# Altium PCB Farzanegan2-2025.PcbDoc (part 2 of 2)
Units mm, origin at the board's own origin, x right, y up, seen from the top; angles counter-clockwise.
Board outline 131.62 x 119.43 mm, 2 copper layers (Top Layer, Bottom Layer); 98 components, 81 nets, 407 pads, 121 vias.
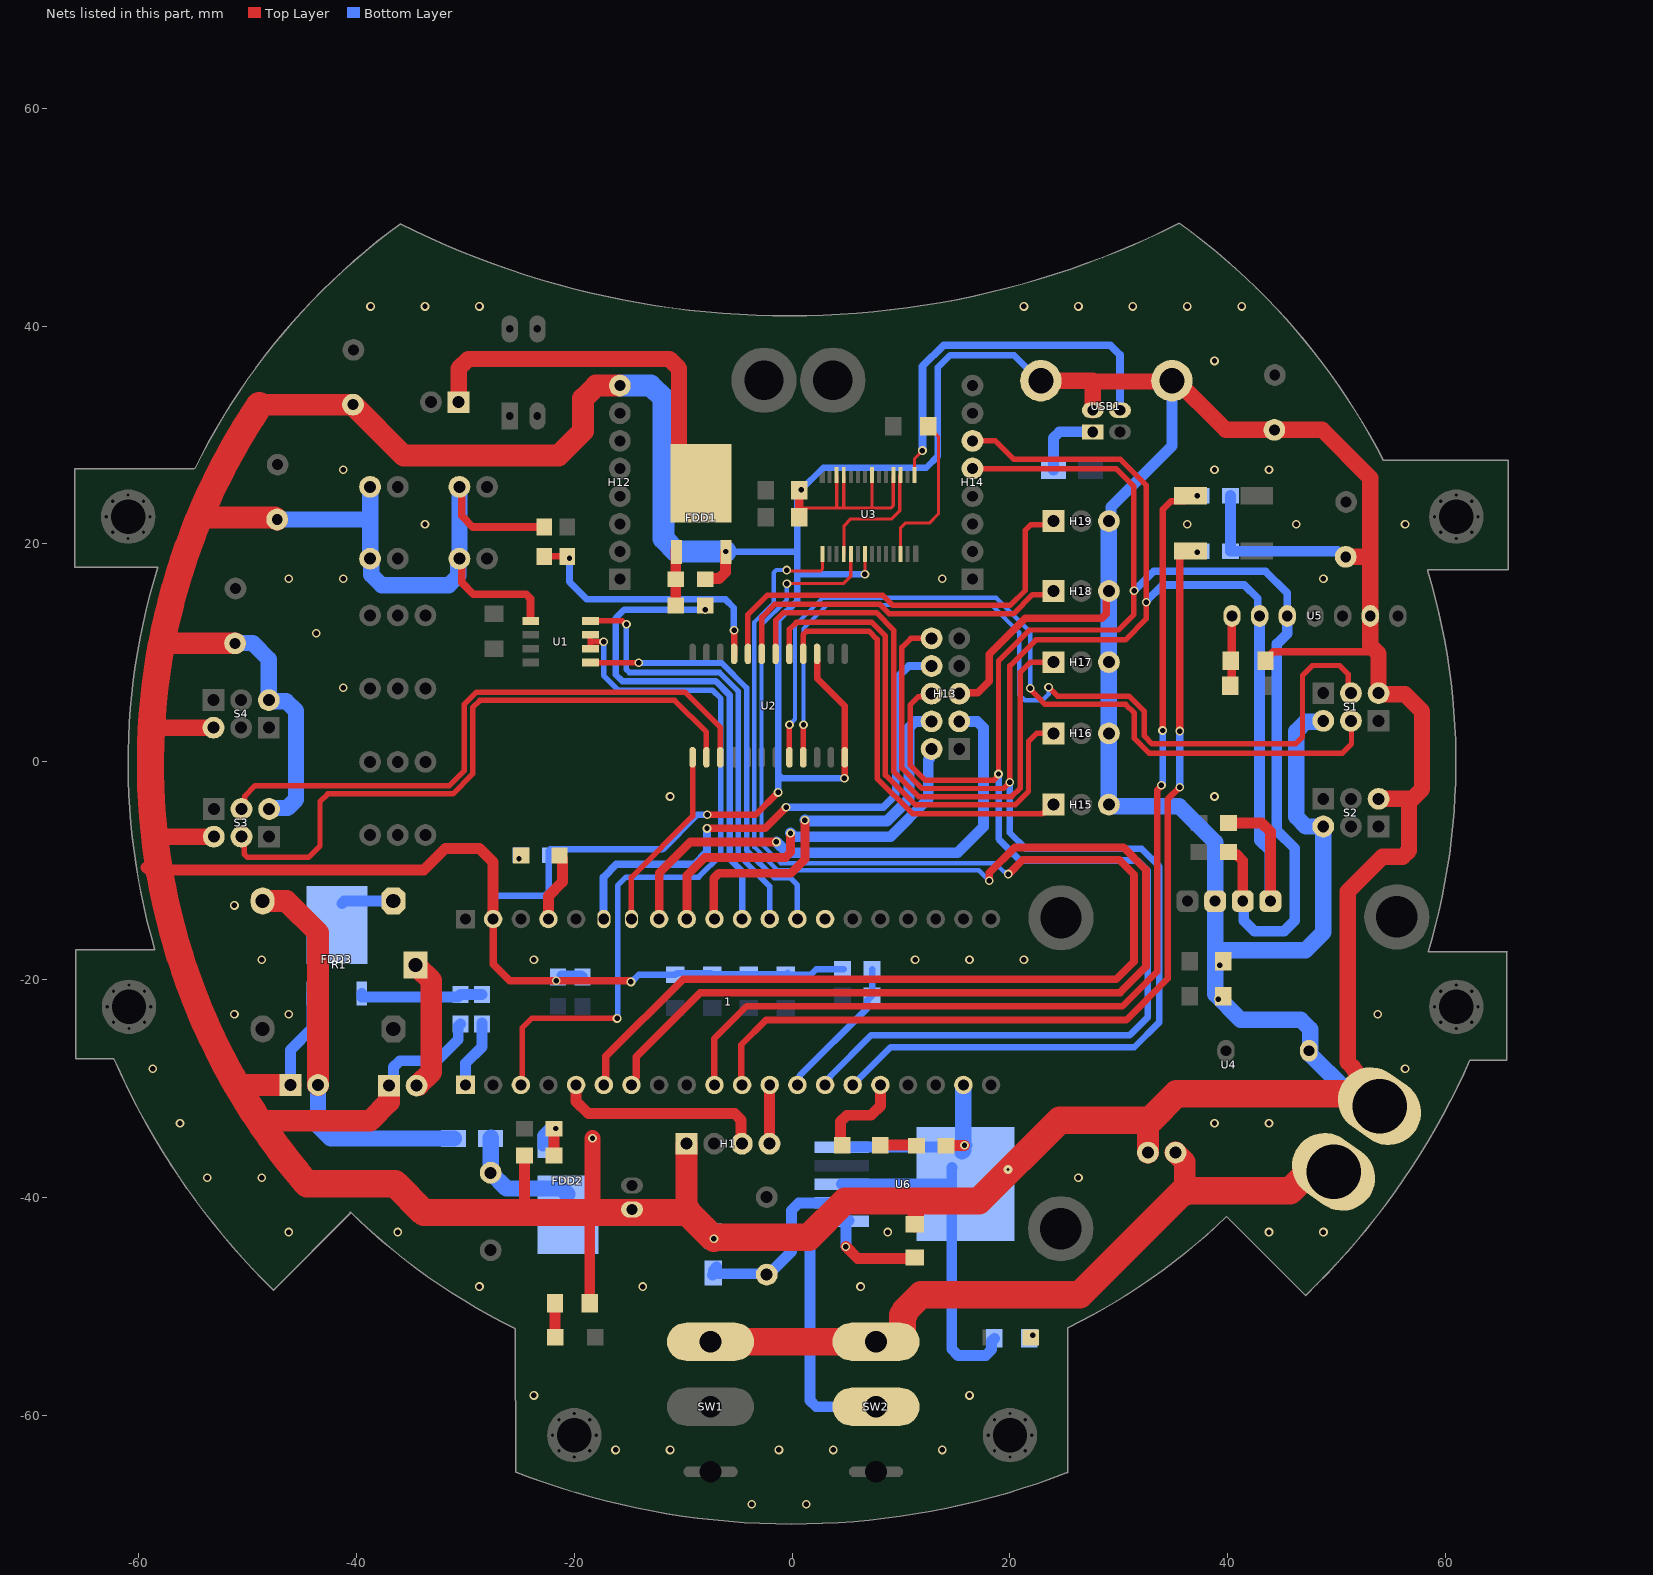
[diagram p2: the nets of this part, all layers, seen from the top]

## Via types
v1: diameter 0.8, hole 0.5, Top Layer to Bottom Layer, tented both sides, 120 vias
v2: diameter 0.8, hole 0.3, Top Layer to Bottom Layer, tented both sides, 1 vias

## Nets (pads, with @x,y where several pads share a name; then routed paths per layer and width w, separated by ;. In a path a pad name is that pad's centre, name@x,y a point inside that pad or via, vN(x,y) a via of type N, cw(c..) or ccw(c..) an arc to the next point about the centre after c; other vN are vias at no path point) (continued)
GATE: FDD1.1 R6.1 R7.1 | length 5.4
  Top Layer w1: R6.1@-10.693,14.148 -10.687,14.154 FDD1.1@-10.687,19.527
GATE_BOOST: FDD2.1 R3.2 R4.2 | length 5
  Top Layer w1: R3.2@-21.866,-36.17 R4.2@-21.866,-33.706 -21.866,-33.677 R4.2@-21.793,-33.604
  Bottom Layer w1: FDD2.1@-22.885,-35.306 -22.885,-34.266 -22.3,-33.68 v1(-21.717,-33.68)
GATE_RELAY: FDD3.1 R17.2 R18.2 | length 11.4
  Bottom Layer w1: FDD3.1@-39.528,-21.291 -39.528,-21.59 -30.67,-21.59 R18.2@-30.463,-21.383 R17.2@-28.473,-21.383
GND: 1.19 1.39 b1.2 B2.2 C1.1 C1.- C2.- C3.- C4.2 C5.2 C6.2 C7.1 C8.1 C9.1 C10.- C11.- D5.1 FDD1.3 FDD2.3 FDD3.3 H1.1@-9.703,-35.077 H1.2@-46.076,-29.681 H2.1 H3.1 H8.2 H9.1 H10.1 H12.8 H13.5 H15.3 H16.3 H17.3 H18.3 H19.3 H20.1 R1.1@4.634,-19.043 R1.1@-19.264,-19.772 R1.1@-21.517,-19.75 R3.1 R5.2 R7.2 R12.1 R13.2 R14.2 R15.2 R16.1 R18.1 R19.2 R21.2 S1.2 S1.5 S2.2 S2.5 S3.2 S3.5 S4.2 S4.5 U1.5 U2.12 U2.15 U3.7 U3.18 U3.21 U3.25 U3.26 U4.1 U5.2 U6.3 U6.5 U6.6 USB1.4 USB1.5 USB1.6 | length 980.9
  Top Layer w0.3: C5.2@0.636,23.292 4.085,23.292 ; U3.26@4.085,26.333 4.085,23.292 ; U3.25@4.735,26.333 4.735,23.292 ; v1(6.68,17.221) U3.7@6.68,18.533 ; U3.21@7.335,26.333 7.335,23.292 ; U3.18@9.285,26.333 9.285,23.526 9.051,23.292 7.335,23.292 ; 4.085,23.292 4.735,23.292 ; 4.735,23.292 7.335,23.292
  Top Layer w0.6: v1(-7.798,-4.877) -3.353,-4.877 v1(-1.295,-2.819) ; U2.15@2.286,9.306 2.286,7.671 4.826,5.131 U2.12@4.826,0.406 4.826,-1.499 v1(4.801,-1.524)
  Top Layer w0.7: H9.1@-30.353,18.72 -30.353,16.459 -29.286,15.392 -24.438,15.392 -24.028,14.982 -24.028,12.929 U1.5@-24.003,12.929 ; H10.1@-30.302,25.375 -30.353,25.324 -30.353,22.581 -29.323,21.551 R19.2@-22.758,21.551 ; 1.39@-27.458,-14.441 -27.458,-18.592 -25.933,-20.117 v1(-21.666,-20.117) -14.937,-20.117 -14.835,-20.218 v1(-14.808,-20.218) ; H13.5@15.342,6.248 15.418,6.325 17.043,6.325 18.094,7.376 18.094,9.865 21.412,13.183 28.426,13.183 28.836,13.593 28.836,15.221 H18.3@29.21,15.596 ; R12.1@43.459,9.271 43.459,9.371 44.197,10.109 53.162,10.109 53.569,9.703 ; C10.-@44.425,30.531 C10.-@44.478,30.477 ; 52.962,18.819 53.01,18.771
  Top Layer w0.8: C5.2@0.636,22.454 0.636,23.292 C6.2@0.636,24.917
  Top Layer w1: -59.331,-9.698 -59.072,-9.957 -33.833,-9.957 -31.852,-7.976 -28.702,-7.976 -27.458,-9.219 1.39@-27.458,-14.441 ; -24.638,-41.554 -24.566,-41.482 -24.566,-41.402 R3.1@-24.566,-36.17 ; R5.2@-18.586,-49.708 -18.586,-41.547 -18.491,-41.453 ; R7.2@-7.987,16.764 -7.933,16.818 -6.713,16.818 -6.127,17.404 FDD1.3@-6.127,19.273 ; R21.2@14.126,-35.255 14.152,-35.23 v1(15.824,-35.23) ; B2.2@53.939,-31.625 B2.2@53.939,-30.517
  Top Layer w1.5: -58.776,-6.96 -58.699,-6.883 S3.2@-53.111,-6.883 ; -58.699,3.251 -58.572,3.124 S4.5@-53.137,3.124 ; -18.364,-41.402 -18.339,-41.377 v1(-18.339,-34.569) ; C7.1@11.278,-42.468 11.354,-42.468 11.354,-40.335 ; USB1.5@22.829,34.987 27.599,34.987 ; USB1.4@27.599,32.277 27.599,34.914 USB1.6@34.796,34.914 ; USB1.6@34.315,35.509 34.773,35.509 39.805,30.477 C10.-@44.277,30.477 ; C10.-@44.478,30.477 48.669,30.477 53.086,26.06 U5.2@53.086,13.386 53.086,10.668 53.848,9.906 ; C11.-@50.831,18.819 52.962,18.819 ; S2.2@53.848,-3.404 56.957,-3.404 57.836,-2.525 57.836,4.648 56.28,6.204 53.969,6.204 S1.5@53.873,6.299 ; S1.5@53.848,6.299 53.848,9.703 ; B2.2@53.939,-30.517 53.804,-30.517 51.584,-28.298 51.584,-28.162 51.029,-27.607 51.029,-11.913 54.204,-8.738 56.056,-8.738 56.642,-8.152 56.642,-3.708
  Top Layer w2: -57.607,10.668 -57.404,10.871 C1.-@-51.156,10.871 ; -54.229,22.428 -47.47,22.428 C2.-@-47.29,22.248 ; -51.257,-29.769 -51.17,-29.681 H1.2@-46.076,-29.681 ; -49.225,-32.893 -49.149,-32.969 -38.76,-32.969 -37.033,-31.242 H8.2@-37.033,-29.743 ; -48.768,32.791 -48.765,32.789 C3.-@-40.33,32.789 -35.659,28.118 -21.463,28.118 -19.202,30.378 -19.202,33.35 -18.009,34.544 H12.8@-15.824,34.544 ; -9.703,-41.123 H1.1@-9.703,-35.077 ; H20.1@32.664,-35.89 32.664,-33.147 32.741,-33.071
  Top Layer w2.5: -48.934,32.7 ccw(c0.066,-0.162) -44.689,-38.607 ; -44.535,-38.76 -36.463,-38.76 -33.821,-41.402 -24.566,-41.402 -18.364,-41.402 -9.982,-41.402 ; -9.703,-41.123 -9.982,-41.402 ; v1(-7.188,-43.79) -9.576,-41.402 -9.982,-41.402 ; v1@-7.188,-43.663 1.524,-43.663 4.851,-40.335 11.354,-40.335 17.145,-40.335 24.562,-32.918 32.664,-32.918 ; 32.868,-32.918 35.292,-30.494 52.809,-30.494 B2.2@53.939,-31.625
  Bottom Layer w0.6: 1.39@-27.381,-15.062 -27.381,-12.645 -27.03,-12.294 -22.703,-12.294 -22.352,-11.942 -22.352,-8.183 -22.221,-8.052 -11.913,-8.052 -8.738,-4.877 v1(-7.798,-4.877) ; v1(-14.808,-20.218) -14.754,-20.218 -14.094,-19.558 C1.1@-10.719,-19.558 -10.566,-19.406 -7.502,-19.406 C1.1@-7.349,-19.558 ; C1.1@-7.406,-19.558 -7.349,-19.501 C1.1@-0.552,-19.501 ; v1@-6.02,19.32 -6.004,19.304 0.483,19.304 ; v1(-1.295,-2.819) -1.295,-1.173 ; C1.1@-0.423,-19.371 C1.1@-0.552,-19.501 ; v1@0.737,24.841 0.483,24.587 0.483,17.221 ; v1(0.813,24.968) 2.845,27 12.319,27 13.386,28.067 13.386,36.22 14.503,37.338 20.371,37.338 USB1.5@23.063,34.646 ; R1.1@4.724,-19.05 2.21,-19.05 1.702,-19.558 C1.1@-0.61,-19.558 C1.1@-0.552,-19.501 ; v1(4.801,-1.524) -0.944,-1.524 -1.295,-1.173 ; v1(6.68,17.221) 0.483,17.221 ; -1.295,-1.173 -1.295,13.005 0.483,14.783 0.483,17.221
  Bottom Layer w1: H1.2@-46.203,-29.616 -46.076,-29.489 -46.076,-26.467 -44.088,-24.48 FDD3.3@-44.088,-21.291 ; H8.2@-37.135,-29.653 -37.022,-29.653 -36.612,-29.243 -36.612,-28.043 -36.026,-27.457 -32.614,-27.457 -30.662,-25.505 -30.662,-24.282 R18.1@-30.463,-24.083 ; R1.1@-21.158,-19.66 -19.377,-19.66 R1.1@-19.264,-19.772 ; U6.3@4.547,-38.782 U6.6@14.656,-38.782 ; U6.5@4.547,-35.382 U6.6@15.367,-35.382 ; U6.6@14.681,-37.262 14.656,-37.287 U6.6@14.656,-38.782 ; U6.6@15.926,-35.306 U6.6@16.053,-35.179 ; R15.2@18.568,-52.959 18.318,-53.209 18.318,-53.973 17.777,-54.514 15.242,-54.514 14.656,-53.928 U6.6@14.656,-38.782 ; H19.3@29.21,22.073 29.276,22.139 29.276,23.409 34.869,29.002 USB1.6@34.869,34.987 ; R13.2@40.263,19.329 50.049,19.329 50.583,18.796 C11.-@50.724,18.796 ; R14.2@40.263,24.435 40.263,19.427 R13.2@40.284,19.406
  Bottom Layer w1.5: C1.-@-51.156,10.871 -51.128,10.899 -49.532,10.899 -48.057,9.423 S4.2@-48.057,5.664 -47.961,5.569 -46.446,5.569 -45.568,4.69 -45.568,-3.465 -46.351,-4.248 -47.987,-4.248 S3.5@-48.082,-4.343 ; C2.-@-47.295,22.327 -47.216,22.248 -38.865,22.248 -38.76,22.352 ; H2.1@-38.76,18.644 -38.665,18.548 -38.665,17.176 -37.694,16.205 -31.531,16.205 -30.652,17.084 -30.652,18.548 H9.1@-30.556,18.644 ; H2.1@-38.76,18.694 -38.76,22.352 ; H3.1@-38.76,25.248 -38.76,22.352 ; H9.1@-30.556,18.72 H10.1@-30.556,25.248 ; U6.6@15.596,-35.789 15.722,-35.663 1.19@15.722,-29.681 ; H19.3@29.085,22.098 H18.3@29.085,15.677 H17.3@29.085,9.141 H16.3@29.085,2.604 29.085,-3.735 H15.3@29.134,-3.785 ; H15.3@29.21,-3.886 29.18,-3.916 29.292,-4.027 29.534,-4.027 29.596,-4.089 35.536,-4.089 38.837,-7.39 U4.1@38.837,-12.802 38.837,-17.297 ; b1.2@47.447,-26.543 47.447,-26.743 50.894,-30.19 52.288,-30.19 B2.2@54.61,-32.512 ; b1.2@47.574,-26.518 47.574,-24.577 46.696,-23.698 41.173,-23.698 38.837,-21.361 38.837,-17.297 ; S1.2@48.768,3.759 48.672,3.664 47.157,3.664 46.279,2.785 46.279,-5.065 47.157,-5.944 S2.5@48.768,-5.944 48.768,-15.672 47.142,-17.297 38.837,-17.297
  Bottom Layer w2: H12.8@-15.824,34.544 -12.983,34.544 -11.811,33.372 -11.811,20.476 -10.639,19.304 v1(-6.096,19.304)
  other v1: -3.717,-68.192 1.283,-68.192 -16.217,-63.192 -11.217,-63.192 -1.217,-63.192 3.783,-63.192 13.783,-63.192 -23.717,-58.192 16.283,-58.192 -28.717,-48.192 -13.717,-48.192 6.283,-48.192 -46.217,-43.192 -36.217,-43.192 8.783,-43.192 43.783,-43.192 48.783,-43.192 -53.717,-38.192 -48.717,-38.192 26.283,-38.192 -56.217,-33.192 38.783,-33.192 43.783,-33.192 -58.717,-28.192 56.283,-28.192 -51.217,-23.192 -46.217,-23.192 53.783,-23.192 39.141,-21.793 39.243,-18.669 -48.717,-18.192 -23.717,-18.192 11.283,-18.192 16.283,-18.192 21.283,-18.192 -51.217,-13.192 -11.217,-3.192 38.783,-3.192 -41.217,6.808 -43.717,11.808 -46.217,16.808 -41.217,16.808 13.783,16.808 48.783,16.808 -33.717,21.808 36.283,21.808 46.283,21.808 56.283,21.808 -41.217,26.808 38.783,26.808 43.783,26.808 38.783,36.808 -38.717,41.808 -33.717,41.808 -28.717,41.808 21.283,41.808 26.283,41.808 31.283,41.808 36.283,41.808 41.283,41.808
  other v2: 19.812,-37.44
"HEADER 3 A1": 1.27
hello: 
ID: 1.13 R1.2@7.334,-19.043 R1.2@7.334,-21.456 | length 13.4
  Bottom Layer w0.6: 1.13@0.692,-29.661 0.692,-28.823 6.91,-22.605 6.91,-21.88 R1.2@7.334,-21.456 R1.2@7.334,-19.043
Inductor: D6.1 FDD2.4 I1.2 | length 11.1
  Bottom Layer w1.5: D6.1@-27.661,-34.519 -27.686,-34.544 I1.2@-27.686,-37.744 -26.238,-39.192 -21.158,-39.192 FDD2.4@-20.65,-39.7
IO: 1.3 U1.2 U1.3 | length 69
  Top Layer w0.508: 1.3@-24.917,-29.896 -24.79,-29.769 -24.79,-24.435 -23.927,-23.571 v1(-16.078,-23.571) ; U1.3@-18.523,11.659 -18.523,11.024 ; U1.2@-18.491,10.389 -18.523,10.42 -18.523,11.024 ; v1(-17.323,11.024) -18.523,11.024
  Bottom Layer w0.508: v1(-17.323,11.024) -17.323,7.925 -15.977,6.579 -7.341,6.579 -6.553,5.791 -6.553,-8.56 -8.585,-10.592 -15.24,-10.592 -16.027,-11.379 v1@-16.027,-23.581
kicker: 
LED1: D7.2 R21.1 | length 3.3
  Top Layer w1: D7.2@8.102,-35.204 11.151,-35.204 11.278,-35.331 R21.1@11.278,-35.357
LED2: 1.16 D7.1 | length 8
  Top Layer w1: D7.1@4.445,-34.823 4.445,-33.047 5.031,-32.461 7.239,-32.461 8.102,-31.599 1.16@8.102,-29.681
LED3: 1.37 D1.1 | length 6.5
  Top Layer w1: 1.37@-22.378,-14.441 -22.378,-12.32 -21.107,-11.049 -21.107,-8.867 D1.1@-21.364,-8.611
LED3_RES: D1.2 R16.2
  other v1: -25.083,-8.895
"Left 1": S1.3 U2.9 | length 82.3
  Top Layer w0.5: U2.9@1.016,0.406 1.029,0.419 1.029,3.391 v1(1.041,3.404) ; v1(23.546,6.833) 23.566,6.833 24.369,6.029 30.927,6.029 32.334,4.622 32.334,2.362 33.045,1.651 46.228,1.651 46.863,2.286 46.863,7.925 47.777,8.839 50.267,8.839 51.082,8.024 51.082,6.652 S1.3@51.257,6.477
  Bottom Layer w0.4: v1(1.041,3.404) 1.041,12.242 3.189,14.389 18.325,14.389 20.836,11.878 20.836,6.162 21.359,5.639 22.987,5.639 23.546,6.198 v1(23.546,6.833)
"Left 2": S1.4 U2.8 | length 77.3
  Top Layer w0.5: U2.8@-0.254,0.406 -0.249,0.411 -0.249,3.402 v1(-0.244,3.407) ; v1(21.851,6.746) 21.851,6.665 22.616,5.9 22.616,5.898 23.238,5.275 30.615,5.275 31.42,4.47 31.42,2.134 32.791,0.762 50.495,0.762 51.363,1.63 S1.4@51.363,3.755
  Bottom Layer w0.4: v1(-0.244,3.407) 0.254,3.905 0.254,12.521 2.776,15.043 18.738,15.043 21.851,11.93 v1(21.851,6.746)
M1: FDD1.4 H11.2 | length 35.2
  Top Layer w1.5: H11.2@-30.632,33.02 -30.632,36.104 -29.754,36.982 -11.267,36.982 -10.389,36.104 -10.389,27.808 FDD1.4@-8.407,25.827
"MISO A6": 1.32 H13.2 | length 35.4
  Top Layer w0.8: 1.32@-9.652,-14.757 -9.652,-10.414 -8.026,-8.788 -0.621,-8.788 -0.152,-8.32 v1(-0.152,-6.553)
  Bottom Layer w1: v1(-0.152,-6.553) 0.178,-6.883 9.017,-6.883 12.497,-3.404 12.497,0.156 12.61,0.27 12.61,0.977 H13.2@12.802,1.168
"MOSI PIXY": 1.33 H13.3 | length 48
  Top Layer w0.8: 1.33@-12.218,-14.299 -12.218,-10.212 -9.373,-7.366 v1(-1.448,-7.366)
  Bottom Layer w1: v1(-1.448,-7.366) -0.457,-8.357 15.189,-8.357 17.577,-5.969 17.577,3.123 16.991,3.708 H13.3@15.342,3.708
"MULTI OUT": 1.34 U2.1 | length 16.8
  Top Layer w0.5: 1.34@-14.656,-13.97 -14.675,-13.97 -14.758,-13.887 -14.758,-10.618 -9.144,-5.004 U2.1@-9.144,0.406
Net1_1: B2.1 H20.2 SW1.1 SW2.1 | length 68
  Top Layer w2: H20.2@35.204,-35.89 36.043,-36.728 36.043,-39.395
  Top Layer w2.5: SW1.1@-6.568,-53.264 9.676,-53.264 10.138,-52.802 10.138,-50.822 10.363,-50.597 10.363,-50.41 11.828,-48.946 26.411,-48.946 35.962,-39.395 36.043,-39.395 ; 36.043,-39.522 36.043,-39.395 ; B2.1@49.714,-37.659 47.46,-37.659 45.723,-39.395 36.043,-39.395
Net1_2: 
NetBuzzer1_2: 
Netcap8_1: D5.2 I2.2 U6.2 | length 17.8
  Bottom Layer w1: D5.2@-7.315,-47.142 -7.187,-47.015 -2.414,-47.015 I2.2@-2.337,-47.092 ; D5.2@-7.239,-46.937 -7.239,-46.706 D5.2@-6.939,-46.406 ; I2.2@-2.438,-47.346 -0.076,-44.983 -0.076,-41.191 0.608,-40.507 4.522,-40.507 U6.2@4.547,-40.482
Netcap11_2: C7.2 SW2.2 U6.1 | length 35.2
  Top Layer w1: v1(4.928,-44.526) 6.02,-45.618 C7.2@11.256,-45.618
  Bottom Layer w1: v1(4.928,-44.526) U6.1@4.928,-42.189 ; U6.1@5.207,-42.139 2.211,-42.139 1.626,-42.724 1.626,-58.647 2.211,-59.233 SW2.2@7.696,-59.233
NetLED1_2: D3.2 R15.1
  other v1: 22.098,-52.68
NetLED2_2: D2.2 R5.1 | length 3.1
  Top Layer w1: R5.1@-21.793,-49.759 -21.765,-49.787 -21.765,-52.836 D2.2@-21.743,-52.857
NetNPN1_2: 
NetRES1_1: R8.1 U3.12 | length 14.3
  Top Layer w0.3: U3.12@9.949,19.712 9.949,21.506 10.363,21.92 12.583,21.92 13.437,22.774 13.437,29.859 13.185,30.11 13.085,30.11 12.485,30.71 R8.1@12.485,30.81
NetRES2_1: R11.1 R12.2 U5.7 | length 6.6
  Top Layer w0.762: R11.1@40.335,6.883 40.36,6.909 40.36,13.411 U5.7@40.335,13.437
NetU1_4: U3.4 U3.17 | length 11.6
  Top Layer w0.3: U3.4@4.735,19.083 4.768,19.115 4.768,21.684 5.379,22.295 9.138,22.295 9.881,23.038 U3.17@9.881,26.314
NetU1_15: U3.15 USB1.3 | length 34.1
  Top Layer w0.3: U3.15@11.235,26.883 11.235,27.847 v1(11.963,28.575)
  Bottom Layer w0.7: v1(11.963,28.575) 11.963,36.297 13.909,38.242 29.22,38.242 30.099,37.363 USB1.3@30.099,32.277
RELAY: FDD3.4 R1.5 | length 4.8
  Bottom Layer w1: FDD3.4@-41.351,-13.005 -41.133,-12.786 R1.5@-36.627,-12.786
"Right 1": S3.4 U2.2 | length 59.7
  Top Layer w0.5: S3.4@-50.47,-6.909 -50.308,-7.071 -50.308,-8.496 -50.015,-8.788 -44.425,-8.788 -43.358,-7.722 -43.358,-3.658 -42.647,-2.946 -31.166,-2.946 -29.345,-1.125 -29.345,4.97 -28.677,5.639 -10.794,5.639 -7.874,2.719 U2.2@-7.874,0.406
"Right 2": S3.3 U2.3 | length 56.6
  Top Layer w0.5: S3.3@-50.571,-4.343 -50.284,-4.056 -50.284,-3.171 -49.306,-2.192 -31.479,-2.192 -30.099,-0.813 -30.099,5.283 -28.989,6.393 -9.847,6.393 -6.604,3.15 U2.3@-6.604,0.406
"RX A10 FT232": 1.7 U3.1 | length 133.7
  Top Layer w0.3: v1(-0.508,17.602) -0.415,17.51 2.6,17.51 2.782,17.692 U3.1@2.782,19.086
  Top Layer w0.7: 1.7@-14.758,-29.681 -14.758,-29.411 -14.325,-28.977 -14.325,-27.101 -8.433,-21.209 30.099,-21.209 32.487,-18.821 32.487,-9.931 30.429,-7.874 20.422,-7.874 18.085,-10.211 v1(18.085,-10.922)
  Bottom Layer w0.4: v1(-0.508,17.602) -1.467,17.602 -1.702,17.368 -1.702,14.59 -3.467,12.824 -3.467,-7.836 -1.338,-9.965 17.127,-9.965 v1(18.085,-10.922)
RXm: 1.28 U1.1 | length 39.3
  Top Layer w0.508: U1.1@-18.523,9.119 -18.497,9.093 -14.106,9.093 v1(-14.097,9.103)
  Bottom Layer w0.508: v1(-14.097,9.103) -14.062,9.068 -6.467,9.068 -4.175,6.776 -4.175,-8.129 -1.632,-10.673 -0.166,-10.673 0.482,-11.32 1.28@0.482,-14.441
"SCK A5": 1.31 H13.4 | length 36
  Top Layer w0.8: 1.31@-7.214,-14.757 -7.214,-10.705 -6.745,-10.236 -0.102,-10.236 1.168,-8.966 v1(1.168,-5.359)
  Bottom Layer w1: v1(1.168,-5.359) 1.245,-5.436 8.691,-5.436 10.719,-3.408 10.719,3.123 11.305,3.708 H13.4@12.802,3.708
SCL: 
"SCL HEAD4 A8": 1.5 H1.3 | length 19.6
  Top Layer w1: 1.5@-19.837,-29.616 -19.837,-31.191 -18.72,-32.309 -5.27,-32.309 -4.684,-32.895 -4.684,-35.016 H1.3@-4.623,-35.077
"SCL TD 12": 1.14 H13.6 H14.5 R9.1 U4.3 U5.5 | length 195
  Top Layer w0.5: H13.6@12.802,6.248 12.534,5.981 11.594,5.981 10.823,5.21 10.823,-0.284 12.241,-1.702 18.491,-1.702 18.798,-1.395 18.798,-1.358 v1@18.948,-1.208 ; H14.5@16.688,26.924 29.743,26.924 31.382,25.286 31.382,13.525 29.956,12.1 21.777,12.1 18.948,9.271 18.948,-1.265 v1@18.867,-1.184
  Top Layer w1: R9.1@40.063,-8.28 40.288,-8.505 40.791,-8.505 41.377,-9.091 U4.3@41.377,-12.802
  Bottom Layer w0.6: 1.14@3.022,-29.681 3.022,-29.384 3.487,-28.918 3.487,-28.872 7.264,-25.095 31.013,-25.095 32.664,-23.444 32.664,-10.033 31.699,-9.068 20.93,-9.068 18.948,-7.087 v1(18.948,-1.127)
  Bottom Layer w0.7: v1(31.394,15.697) 33.198,17.501 43.459,17.501 45.466,15.494 U5.5@45.466,13.386
  Bottom Layer w1: U4.3@41.377,-12.802 41.377,-13.213 41.465,-13.302 41.465,-14.567 42.469,-15.57 45.161,-15.57 46.152,-14.58 46.152,-7.95 44.501,-6.299 44.501,10.795 45.466,11.76 U5.5@45.466,13.386
SDA: 
"SDA HEAD4 B4": 1.12 H1.4 | length 5.6
  Top Layer w1: H1.4@-2.083,-35.077 -2.071,-35.065 -2.071,-29.782 1.12@-1.88,-29.591
"SDA TD 12": 1.15 H13.10 H14.6 R10.1 U4.4 U5.6 | length 194.6
  Top Layer w0.5: H13.10@12.802,11.328 10.897,11.328 10.069,10.501 10.069,-0.596 11.929,-2.456 19.391,-2.456 19.909,-1.938 19.99,-2.019 v1(19.99,-1.881) 19.99,8.814 22.377,11.201 30.607,11.201 32.512,13.106 v1(32.512,14.656) v1@32.593,14.656 ; H14.6@16.612,29.464 18.669,29.464 20.345,27.788 30.124,27.788 32.512,25.4 v1@32.512,14.732
  Top Layer w1: R10.1@40.259,-5.537 40.334,-5.612 43.101,-5.612 43.917,-6.428 U4.4@43.917,-12.802
  Bottom Layer w0.6: 1.15@5.562,-29.681 9.03,-26.213 31.42,-26.213 33.722,-23.911 33.722,-9.628 32.104,-8.011 21.473,-8.011 19.99,-6.528 v1(19.99,-1.881)
  Bottom Layer w0.7: v1@32.512,14.732 34.011,16.231 41.529,16.231 42.754,15.006 42.754,13.558 U5.6@42.926,13.386
  Bottom Layer w1: U5.6@42.926,13.386 42.926,-7.239 43.866,-8.179 U4.4@43.866,-12.751
SENS0: H15.1 U2.16 | length 39.6
  Top Layer w0.5: U2.16@1.016,9.906 1.016,11.671 1.309,11.963 7.08,11.963 7.807,11.236 7.807,-1.533 11.049,-4.775 22.962,-4.775 23.055,-4.682 23.255,-4.682 H15.1@24.005,-3.932
SENS1: H16.1 U2.17 | length 46.6
  Top Layer w0.5: U2.17@-0.254,9.906 -0.254,12.167 0.381,12.802 7.315,12.802 8.561,11.555 8.561,-1.221 11.304,-3.964 20.471,-3.964 21.701,-2.734 21.701,1.864 22.442,2.604 H16.1@24.005,2.604
SENS2: H17.1 U2.18 | length 54.8
  Top Layer w0.5: U2.18@-1.524,9.906 -1.524,12.979 -0.813,13.691 7.722,13.691 9.315,12.097 9.315,-0.909 11.616,-3.21 20.159,-3.21 20.947,-2.421 20.947,8.222 21.869,9.144 H17.1@23.952,9.144
SENS3: H18.1 U2.19 | length 31.6
  Top Layer w0.5: U2.19@-2.794,9.906 -2.794,13.259 -1.608,14.445 8.06,14.445 8.915,13.589 20.32,13.589 22.072,15.342 23.444,15.342 H18.1@23.749,15.646
SENS4: H19.1 U2.20 | length 39.4
  Top Layer w0.5: U2.20@-4.064,9.906 -4.064,13.513 -2.286,15.291 8.306,15.291 9.22,14.376 20.041,14.376 21.412,15.748 21.412,21.26 21.92,21.768 23.444,21.768 H19.1@24.054,22.377
SHOOT: 1.1 R17.1 | length 6.3
  Bottom Layer w1: 1.1@-29.998,-29.681 -29.998,-27.685 -28.499,-26.185 R17.1@-28.499,-24.003
spin: 1.30 R6.2 | length 46
  Bottom Layer w0.6: v1(-7.99,13.956) -15.432,13.956 -16.194,13.194 -16.194,7.99 -15.591,7.387 -7.87,7.387 -7.006,7.387 -5.745,6.126 -5.745,5.262 -5.745,-8.91 -4.598,-10.057 1.30@-4.598,-14.441
"SS 9 A4": 1.35 H13.8 | length 49.9
  Top Layer w0.7: v1(-7.823,-6.121) -2.489,-6.121 v1(-0.559,-4.191)
  Bottom Layer w0.7: 1.35@-17.323,-14.757 -17.323,-10.592 -16.154,-9.423 -8.966,-9.423 -7.823,-8.28 v1(-7.823,-6.121) ; v1@-0.635,-4.191 v1(-0.559,-4.191) 8.375,-4.191 9.525,-3.041 9.525,7.62 10.693,8.788 H13.8@12.802,8.788
"SS 9 B1": 
SW1: 1.10 R14.1 SW4.1 | length 93.1
  Top Layer w0.6: 1.10@-7.163,-29.642 -7.163,-25.425 -4.191,-22.454 30.328,-22.454 33.503,-19.279 33.503,-2.61 33.871,-2.242 v1@33.871,-2.197 ; v1(34.011,2.87) 34.011,23.139 34.806,23.935 36.076,23.935 SW4.1@36.576,24.435
  Bottom Layer w0.6: v1(33.909,-2.159) 33.909,-2.105 34.011,-2.003 v1(34.011,2.87)
  other v1: 37.211,24.435
SW2: 1.11 R13.1 SW3.1 | length 85.9
  Top Layer w0.6: 1.11@-4.679,-29.738 -4.679,-25.99 -2.403,-23.714 30.693,-23.714 34.493,-19.914 34.493,-3.429 v1(35.585,-2.337)
  Top Layer w0.7: v1(35.585,2.819) 35.585,18.905 36.035,19.355 SW3.1@36.576,19.355
  Bottom Layer w0.7: v1(35.585,-2.337) v1(35.585,2.819)
  other v1: 37.186,19.228
"TX A9 FT232": 1.6 U3.5 | length 132.3
  Top Layer w0.3: v1(-0.483,16.358) 4.699,16.358 5.385,17.044 U3.5@5.385,19.083
  Top Layer w0.7: 1.6@-17.298,-29.681 -17.107,-29.49 -17.107,-27.064 -10.013,-19.97 29.763,-19.97 31.394,-18.339 31.394,-10.366 30.02,-8.992 21.185,-8.992 19.864,-10.312 v1(19.837,-10.312)
  Bottom Layer w0.4: v1(-0.483,16.358) -0.483,14.884 -2.813,12.553 -2.813,-7.565 -1.068,-9.311 18.658,-9.311 19.46,-10.112 19.529,-10.112 19.729,-10.312 v1(19.837,-10.312)
TXm: 1.29 U1.4 | length 40.9
  Top Layer w0.508: U1.4@-18.605,12.941 -15.611,12.941 -15.294,12.624 v1(-15.215,12.624)
  Bottom Layer w0.508: v1(-15.215,12.624) -15.24,12.598 -15.24,8.492 -14.942,8.195 -7.535,8.195 -6.671,8.195 -4.937,6.461 -4.937,5.597 -4.937,-8.576 -2.058,-11.454 1.29@-2.058,-14.441
VBAT: R19.1 R20.1 U2.21 | length 24.8
  Top Layer w0.6: R19.1@-22.758,18.851 R20.1@-20.664,18.851 -20.494,18.851 R20.1@-20.447,18.898 ; U2.21@-5.334,9.906 v1(-5.334,12.065)
  Bottom Layer w0.6: v1(-20.447,18.669) -20.447,16.51 -18.847,14.91 -6.121,14.91 -5.359,14.148 -5.359,12.09 v1(-5.334,12.065)
VBOOST: D6.2 H1.1@-43.536,-29.681 R1.3 | length 37
  Top Layer w2: R1.3@-48.627,-12.786 -46.446,-12.786 -43.536,-15.697 H1.1@-43.536,-29.681
  Bottom Layer w1.5: H1.1@-43.536,-29.681 -43.536,-33.423 -42.364,-34.595 D6.2@-31.086,-34.595
VCC: 
VSHOOT: H8.1 R1.1@-34.577,-18.661 | length 12.2
  Top Layer w2: R1.1@-34.577,-18.661 -34.577,-18.811 -34.477,-18.911 -34.319,-18.911 -33.147,-20.083 -33.147,-28.51 H8.1@-34.319,-29.681
VSS: 
VUSB: D4.1 USB1.1 | length 7.1
  Bottom Layer w1: D4.1@23.979,26.772 23.979,29.716 24.565,30.302 USB1.1@27.889,30.302
pads on no net: 1.2 1.20 1.21 1.25 1.36 1.38 H4.1 H5.1 H6.1 H7.1 H12.1 H12.2 H12.3 H12.4 H12.5 H12.6 H13.7 H13.9 H14.1 H14.2 H14.3 H14.4 H14.7 H14.8 R1.2@-48.627,-24.536 Screw1.S Screw2.S Screw3.S Screw4.S Screw5.S Screw6.S SW1.3 SW2.3 U2.22 U2.23 U3.2 U3.3 U3.6 U3.8 U3.9 U3.10 U3.11 U3.13 U3.14 U3.19 U3.22 U3.23 U3.24 U3.27 U3.28 U4.139 U4.140 U4.141 U5.3 U5.4

## Polygon pours and split planes (outlines as drawn)
GND on Bottom Layer "GND_L02_P001" (solid, pour order 1): -47.637,-48.526 cw(c0,0) -62.277,-27.306 -62.332,-27.254 -65.761,-27.254 -65.786,-27.263 -65.786,-17.272 -58.522,-17.272 -58.519,-17.287 cw(c0.025,-0.152) -58.264,17.83 -58.293,17.856 -65.862,17.856 -65.862,26.848 -65.888,26.899 -54.966,26.899 -54.843,26.939 cw(c-0.076,0.076) -36.007,49.371 -35.997,49.392 ccw(c-0.272,120.673) 35.533,49.431 35.593,49.419 cw(c-0.025,-0.102) 54.276,27.689 54.331,27.686 65.735,27.686 65.735,17.653 65.684,17.628 58.369,17.628 58.372,17.517 cw(c-0.051,-0.025) 58.409,-17.446 58.394,-17.468 65.658,-17.451 65.634,-17.45 65.634,-27.407 62.205,-27.407 62.23,-27.413 cw(c0,0) 47.216,-48.935 47.142,-49.022 39.891,-41.77 39.892,-41.771 cw(c-0.186,-0.053) 25.347,-51.963 25.298,-51.973 25.298,-65.278 25.203,-65.306 cw(c0,0) -25.37,-65.241 -25.375,-65.227 -25.425,-52.049 -25.519,-52.011 cw(c0.025,0) -40.566,-41.352 -40.589,-41.453
GND on Top Layer "GND_L01_P000" (solid, pour order 0): -47.637,-48.526 cw(c0,0) -62.277,-27.306 -62.332,-27.254 -65.761,-27.254 -65.786,-27.263 -65.786,-17.272 -58.522,-17.272 -58.519,-17.287 cw(c0.025,-0.152) -58.264,17.83 -58.293,17.856 -65.862,17.856 -65.862,26.848 -65.888,26.899 -54.966,26.899 -54.843,26.939 cw(c-0.076,0.076) -36.007,49.371 -35.997,49.392 ccw(c-0.272,120.673) 35.533,49.431 35.593,49.419 cw(c-0.025,-0.102) 54.276,27.689 54.331,27.686 65.735,27.686 65.735,17.653 65.684,17.628 58.369,17.628 58.372,17.517 cw(c-0.051,-0.025) 58.409,-17.446 58.394,-17.468 65.658,-17.451 65.634,-17.45 65.634,-27.407 62.205,-27.407 62.23,-27.413 cw(c0,0) 47.216,-48.935 47.142,-49.022 39.891,-41.77 39.892,-41.771 cw(c-0.186,-0.053) 25.347,-51.963 25.298,-51.973 25.298,-65.278 25.203,-65.306 cw(c0,0) -25.37,-65.241 -25.375,-65.227 -25.425,-52.049 -25.519,-52.011 cw(c0.025,0) -40.566,-41.352 -40.589,-41.453

## Keep-outs
Keep-Out Layer:
  lines w0.254: -65.888,26.899 -54.966,26.899 ; -65.862,26.848 -65.862,17.856 -58.293,17.856 ; -65.786,-27.263 -65.786,-17.263 ; -65.786,-17.272 -58.522,-17.272 ; -65.761,-27.254 -62.332,-27.254 ; -62.277,-27.306 ccw(c0,0) -47.637,-48.526 ; -58.519,-17.287 cw(c0.025,-0.152) -58.264,17.83 ; -54.843,26.939 cw(c-0.076,0.076) -36.007,49.371 ; -47.65,-48.514 -40.589,-41.453 ; -40.566,-41.352 ccw(c0.025,0) -25.519,-52.011 ; -35.997,49.392 ccw(c-0.272,120.673) 35.533,49.431 ; -25.425,-52.049 -25.375,-65.227 ; -25.37,-65.241 ccw(c0,0) 25.203,-65.306 ; 25.298,-65.278 25.298,-51.973 ; 25.347,-51.963 ccw(c-0.186,-0.053) 39.892,-41.771 ; 35.593,49.419 cw(c-0.025,-0.102) 54.276,27.689 ; 39.891,-41.77 47.142,-49.022 ; 47.216,-48.935 ccw(c0,0) 62.23,-27.413 ; 54.331,27.686 65.735,27.686 65.735,17.653 ; 58.369,17.628 65.684,17.628 ; 58.372,17.517 cw(c-0.051,-0.025) 58.409,-17.446 ; 58.394,-17.468 65.658,-17.451 ; 62.205,-27.407 65.634,-27.407 65.634,-17.45

## Other copper
Bottom Layer:
  region: 75.662,-5.193 75.662,-5.156 75.699,-5.156 75.699,-5.193
  region: 73.244,-7.868 73.244,-7.831 73.28,-7.831 73.28,-7.868
  region: 73.61,-7.172 73.647,-7.172 73.647,-7.208 73.61,-7.208
  region: 75.332,-5.45 75.296,-5.45 75.296,-5.413 75.332,-5.413 75.332,-5.376 75.369,-5.376 75.369,-5.413 75.332,-5.413
  region: 73.061,-8.381 73.061,-8.418 73.024,-8.418 73.024,-8.381
  region: 74.893,-5.779 74.856,-5.779 74.856,-5.743 74.893,-5.743
  region: 75.406,-5.303 75.479,-5.303 75.479,-5.34 75.406,-5.34 75.406,-5.376 75.369,-5.376 75.369,-5.34 75.406,-5.34
  region: 73.317,-7.758 73.317,-7.795 73.28,-7.795 73.28,-7.758
  region: 75.222,-5.523 75.186,-5.523 75.186,-5.486 75.222,-5.486 75.222,-5.45 75.259,-5.45 75.259,-5.486 75.222,-5.486
  region: 74.929,-5.743 74.893,-5.743 74.893,-5.706 74.929,-5.706
  region: 74.783,-5.853 74.783,-5.889 74.746,-5.889 74.746,-5.853
  region: 75.112,-5.559 75.112,-5.596 75.076,-5.596 75.076,-5.559
  region: 73.17,-8.014 73.207,-8.014 73.207,-8.051 73.17,-8.051
  region: 72.657,-10.286 72.657,-10.213 72.694,-10.213 72.694,-10.286
  region: 74.233,-6.402 74.233,-6.366 74.27,-6.366 74.27,-6.402
  region: 75.662,-5.193 75.662,-5.23 75.589,-5.23 75.589,-5.193 75.625,-5.193
  region: 75.552,-5.23 75.589,-5.23 75.589,-5.266 75.552,-5.266 75.552,-5.303 75.516,-5.303 75.516,-5.266 75.552,-5.266
  region: 73.17,-8.124 73.134,-8.124 73.134,-8.088 73.17,-8.088
  region: 74.819,-5.779 74.856,-5.779 74.856,-5.816 74.819,-5.816 74.819,-5.853 74.783,-5.853 74.783,-5.816 74.819,-5.816
  region: 75.735,-5.156 75.735,-5.12 75.772,-5.12 75.772,-5.156
  region: 74.196,-6.476 74.16,-6.476 74.16,-6.439 74.196,-6.439
  region: 73.903,-6.769 73.94,-6.769 73.94,-6.805 73.903,-6.805
  region: 75.039,-5.669 75.003,-5.669 75.003,-5.633 75.039,-5.633 75.039,-5.596 75.076,-5.596 75.076,-5.633 75.039,-5.633

## Silkscreen, mask and mechanical layers (free items; w line width, h text height)
Mechanical 1:
  lines w0.3: -28.042,-6.528 -28.042,4.267 -14.783,4.267 -14.783,-6.528 -28.042,-6.528

## Text inside footprints (layer, text, board x,y; h text height)
1: Top Overlay "3.3" at 18.553,-27.873 h0.8 r90; Top Overlay "BAT" at 18.655,-18.043 h0.8 r90; Top Overlay "C13" at 16.115,-17.91 h0.8 r90; Top Overlay "C14" at 13.575,-17.91 h0.8 r90; Top Overlay "C15" at 11.035,-17.91 h0.8 r90; Top Overlay "A0" at 5.955,-17.243 h0.8 r90; Top Overlay "A1" at 3.415,-16.976 h0.8 r90; Top Overlay "A2" at 0.875,-17.243 h0.8 r90; Top Overlay "A3" at -1.665,-17.243 h0.8 r90; Top Overlay "A4" at -4.205,-17.243 h0.8 r90; Top Overlay "A5" at -6.745,-17.243 h0.8 r90; Top Overlay "A6" at -9.285,-17.243 h0.8 r90; Top Overlay "A7" at -11.825,-17.243 h0.8 r90; Top Overlay "R" at 8.495,-16.443 h0.8 r90; Top Overlay "B0" at -14.365,-17.243 h0.8 r90; Top Overlay "B1" at -16.905,-16.976 h0.8 r90; Top Overlay "B2" at -19.445,-17.243 h0.8 r90; Top Overlay "B10" at -21.985,-17.91 h0.8 r90; Top Overlay "3.3" at -24.525,-17.91 h0.8 r90; Top Overlay "GND" at -27.065,-18.043 h0.8 r90; Top Overlay "5V" at -29.605,-17.243 h0.8 r90; Top Overlay "GND" at 16.015,-27.873 h0.8 r90; Top Overlay "5V" at 13.478,-27.873 h0.8 r90; Top Overlay "B9" at 10.94,-27.873 h0.8 r90; Top Overlay "B8" at 8.402,-27.873 h0.8 r90; Top Overlay "B7" at 5.865,-27.873 h0.8 r90; Top Overlay "B6" at 3.327,-27.873 h0.8 r90; Top Overlay "B5" at 0.789,-27.873 h0.8 r90; Top Overlay "B4" at -1.748,-27.873 h0.8 r90; Top Overlay "B3" at -4.286,-27.873 h0.8 r90; Top Overlay "A15" at -6.823,-27.873 h0.8 r90; Top Overlay "A12" at -9.361,-27.873 h0.8 r90; Top Overlay "A11" at -11.899,-27.873 h0.8 r90; Top Overlay "A10" at -14.436,-27.873 h0.8 r90; Top Overlay "A9" at -16.974,-27.873 h0.8 r90; Top Overlay "B15" at -22.049,-27.873 h0.8 r90; Top Overlay "STM32F411CEU6" at -0.816,-20.819 h0.8 r180; Top Overlay "USB" at -28.006,-23.812 h0.8 r90; Top Overlay "TYPE-C" at -26.124,-25.336 h0.8 r90; Top Overlay "A8" at -19.512,-27.873 h0.8 r90
B2: Bottom Overlay "-" at 57.383,-27.721 h0.8 r145; Bottom Overlay "+" at 47.687,-41.568 h0.8 r145
C1: Top Overlay "-" at -51.889,10.142 h0.8 r270
C2: Top Overlay "-" at -48.023,21.518 h0.8 r270
C3: Top Overlay "-" at -41.063,32.059 h0.8 r270
C10: Top Overlay "-" at 43.544,29.748 h0.8 r270
C11: Top Overlay "-" at 50.097,18.089 h0.8 r270
DSW: Top Overlay "ON" at -25.493,37.11 h1
H1: Top Overlay "+" at -44.298,-32.348 h1.52 r270; Top Overlay "-" at -46.837,-32.348 h1.52 r270
H8: Top Overlay "-" at -37.795,-32.41 h1.52 r270; Top Overlay "+" at -35.255,-32.41 h1.52 r270
H11: Top Overlay "+" at -32.41,35.687 h1.52 r90; Top Overlay "-" at -29.871,35.687 h1.52 r90
H13: Top Overlay "1" at 16.092,-1.039 h0.8 r90; Top Overlay "10" at 13.552,13.036 h0.8 r90; Top Overlay "9" at 16.092,13.036 h0.8 r90; Top Overlay "2" at 13.552,-1.539 h0.8 r90
R1: Top Overlay "COM" at -36.42,-20.643 h1.5 r90; Top Overlay "NO" at -45.158,-15.41 h1.5 r90; Top Overlay "NC" at -45.336,-24.249 h1.5 r90
S1: Bottom Overlay "1" at 46.736,6.807 h0.8 r180; Bottom Overlay "2" at 46.228,4.267 h0.8 r180; Bottom Overlay "5" at 55.372,6.807 h0.8 r180; Bottom Overlay "6" at 55.372,4.267 h0.8 r180
S2: Bottom Overlay "6" at 47.244,-3.912 h0.8; Bottom Overlay "5" at 47.244,-6.452 h0.8; Bottom Overlay "2" at 56.388,-3.912 h0.8; Bottom Overlay "1" at 55.88,-6.452 h0.8
S3: Bottom Overlay "6" at -46.507,-6.375 h0.8 r180; Bottom Overlay "5" at -46.507,-3.835 h0.8 r180; Bottom Overlay "2" at -55.651,-6.375 h0.8 r180; Bottom Overlay "1" at -55.143,-3.835 h0.8 r180
S4: Bottom Overlay "1" at -46.025,2.616 h0.8; Bottom Overlay "2" at -45.517,5.156 h0.8; Bottom Overlay "5" at -54.661,2.616 h0.8; Bottom Overlay "6" at -54.661,5.156 h0.8